# Altium PCB MCISO-P01-V04.PcbDoc (part 2 of 2)
Units mm, origin at the board's own origin, x right, y up, seen from the top; angles counter-clockwise.
Board outline 79.85 x 119.25 mm, 2 copper layers (Top Layer, Bottom Layer), stack 1.57 mm thick; 122 components, 80 nets, 453 pads, 48 vias.
Unrouted connection lines stored in the file: 3.
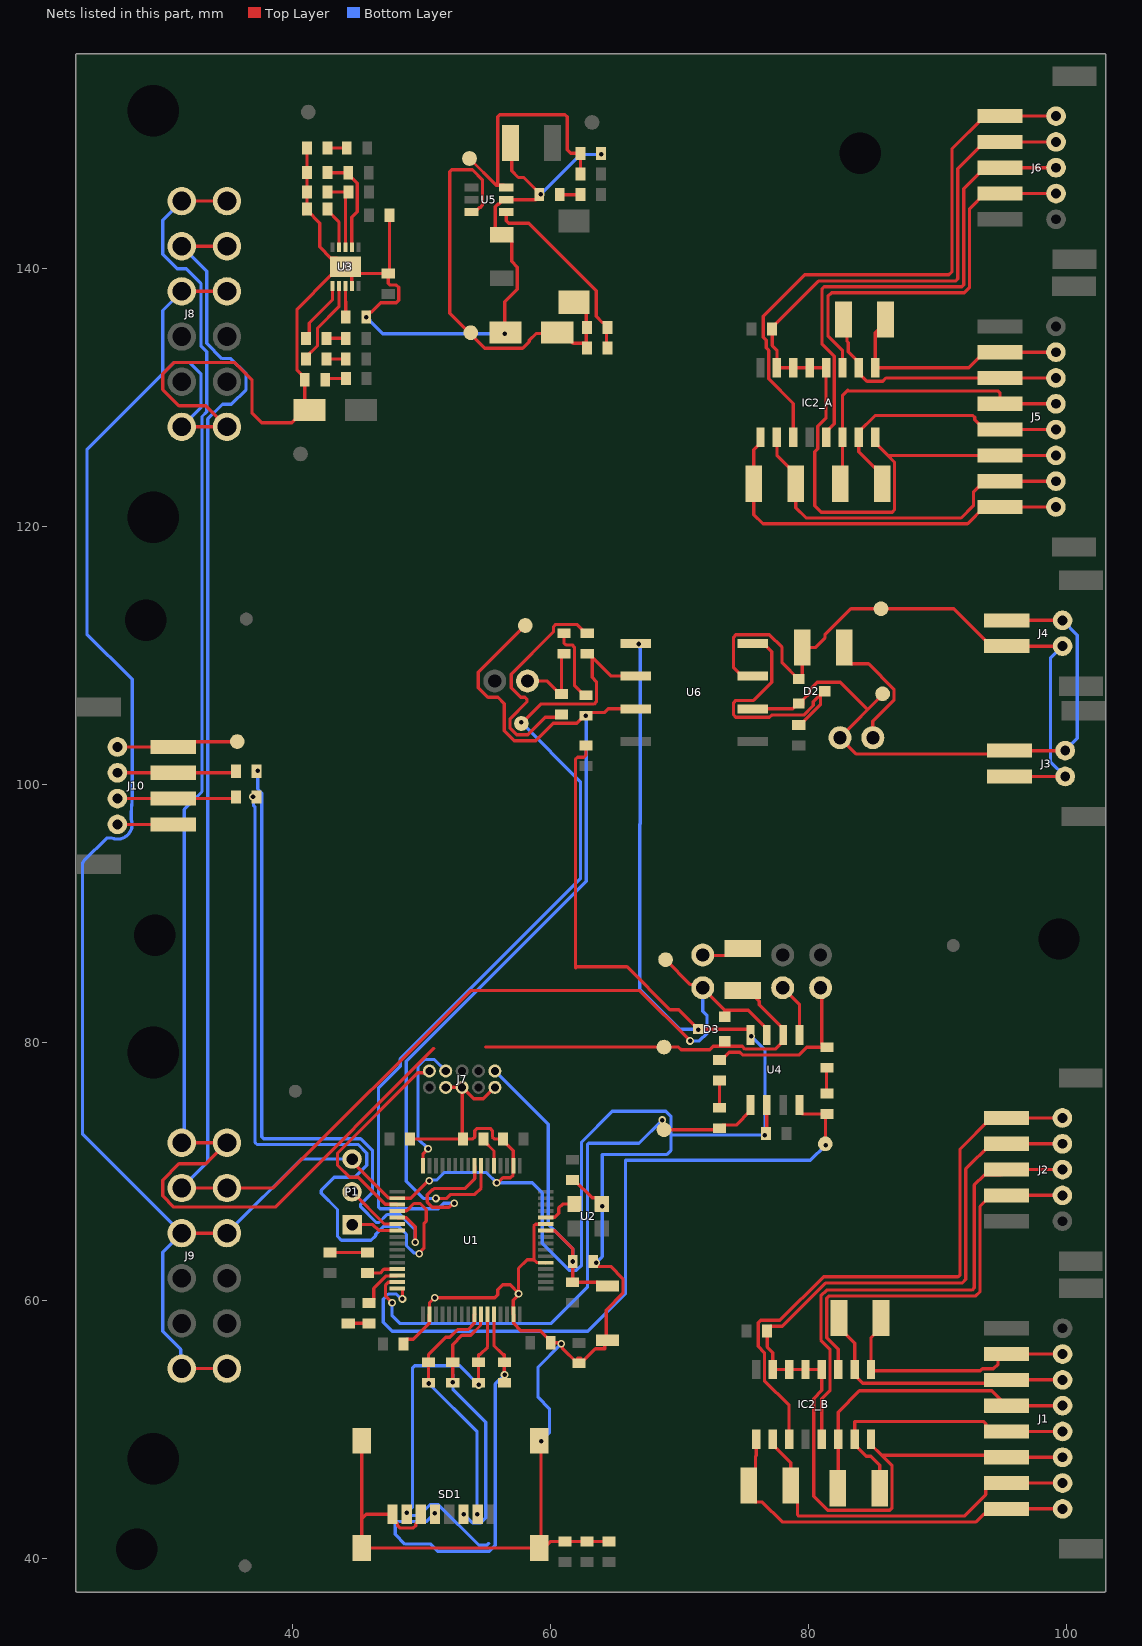
[diagram p2: the nets of this part, all layers, seen from the top]

## Via types
v1: diameter 0.6, hole 0.35, Top Layer to Bottom Layer, 48 vias

## Nets (pads, with @x,y where several pads share a name; then routed paths per layer and width w, separated by ;. In a path a pad name is that pad's centre, name@x,y a point inside that pad or via, vN(x,y) a via of type N, cw(c..) or ccw(c..) an arc to the next point about the centre after c; other vN are vias at no path point) (continued)
"CAN1 RX": R22.1 TP7.1 U1.57 U6.6 | length 74.8
  Top Layer w0.254: v1(52.522,67.519) 52.428,67.519 52.119,67.21 50.818,67.21 50.419,67.609 50.419,68.173 50.818,68.572 50.869,68.572 50.952,68.654 53.328,68.654 54.1,69.426 U1.57@54.1,70.407 ; v1(57.7,104.8) 57.822,104.8 59.233,106.211 63.359,106.211 63.538,106.39 63.538,107.957 63.206,108.289 R22.1@63.206,109.856 ; R22.1@62.825,110.11 62.952,110.11 R22.1@63.206,109.856 ; U6.6@66.6,108.38 64.682,108.38 R22.1@63.206,109.856
  Bottom Layer w0.254: v1(52.522,67.519) 51.691,67.519 51.268,67.096 46.788,67.096 46.639,67.245 46.639,76.439 48.339,78.139 48.339,78.702 62.3,92.663 62.3,100.2 v1(57.7,104.8)
"CAN1 TX": R21.1 TP5.1 U1.58 U6.7 | length 72.8
  Top Layer w0.254: v1(51.1,67.891) 51.93,67.891 52.24,68.2 54.106,68.2 54.6,68.694 U1.58@54.6,70.407 ; TP5.1@58.025,112.303 54.39,108.668 54.39,107.474 55.134,106.73 55.911,106.73 56.395,106.246 56.395,104.152 57.174,103.373 58.84,103.373 60.191,104.724 62.012,104.724 62.588,105.3 v1(62.7,105.3) 62.842,105.3 63.106,105.564 64.191,105.564 64.467,105.84 U6.7@66.6,105.84
  Bottom Layer w0.254: v1(51.1,67.891) 50.133,67.891 48.793,69.231 48.793,78.514 62.754,92.475 62.754,105.246 v1(62.7,105.3)
"CAN2 RX": R25.1 TP11.1 U1.33 U4.4 | length 56.5
  Top Layer w0.254: U1.33@48.1,60.907 48.477,60.907 48.5,60.884 v1(48.5,60.1) ; U4.4@79.287,75.149 79.287,74.674 79.536,74.425 81.3,74.425 R25.1@81.409,74.425 81.3,74.316 v1(81.3,72.021)
  Bottom Layer w0.254: v1(48.5,60.1) 48.406,60.1 48.025,60.481 47.418,60.481 47.019,60.082 47.019,58.281 47.7,57.6 62.873,57.6 65.8,60.527 65.8,70.846 80.125,70.846 v1(81.3,72.021)
"CAN2 TX": R24.1 TP9.1 U1.34 U4.1 | length 45.9
  Top Layer w0.254: v1(47.7,59.8) 47.195,60.305 47.195,61.183 47.396,61.384 48.077,61.384 U1.34@48.1,61.407 ; v1(68.633,73.967) 68.699,73.901 68.699,73.299 TP9.1@68.78,73.219 R24.1@72.973,73.219 ; R24.1@73.334,73.58 74.382,73.58 75.477,74.674 U4.1@75.477,75.149
  Bottom Layer w0.254: v1(47.7,59.8) 47.7,58.8 48.3,58.2 60.051,58.2 62.842,60.99 62.842,72.075 62.942,72.175 66.842,72.175 v1(68.633,73.967)
"CAN H": D2.2 J3.1 J4.1 J12.1 TP4.1 U6.2 | length 49.1
  Top Layer w0.254: U6.2@75.65,105.84 78.762,105.84 79.068,106.146 79.526,106.146 79.548,106.168 79.548,106.526 80.099,107.077 80.099,107.358 80.649,107.908 82.443,107.908 84.511,105.84 ; TP4.1@85.725,107.003 85.725,106.953 82.425,103.653 J12.1@82.425,103.603 83.695,102.333 95.283,102.333 J3.1@95.55,102.6 J3.1@99.879,102.6 ; J4.1@95.35,112.7 J4.1@99.679,112.7
  Bottom Layer w0.254: J4.1@99.679,112.7 100.822,111.557 100.822,103.543 J3.1@99.879,102.6
"CAN L": D2.1 J3.2 J4.2 R23.1 TP6.1 U6.3 | length 52
  Top Layer w0.254: U6.3@75.65,108.38 74.825,108.38 74.17,109.035 74.17,111.396 74.349,111.575 76.951,111.575 77.927,110.599 77.927,109.402 79.175,108.153 79.227,108.153 79.5,108.426 R23.1@79.5,110.603 80.531,110.603 81.253,111.325 81.253,111.586 83.266,113.6 TP6.1@85.6,113.6 91.25,113.6 94.15,110.7 J4.2@95.35,110.7 J4.2@99.679,110.7 ; J3.2@95.55,100.6 J3.2@99.879,100.6
  Bottom Layer w0.254: J4.2@99.679,110.7 98.736,109.757 98.736,101.743 J3.2@99.879,100.6
"CAN LED": DS7.1 DS8.1 J11.2 | length 6.2
  Top Layer w0.254: J11.2@58.2,108 59.695,108 60.698,106.997 DS8.1@60.825,106.997 60.825,109.91 DS7.1@61.025,110.11
"CAN MAIN H": D3.2 J8.2 J8.8 J9.2 J9.8 J14.1 TP8.1 U4.7 | length 145
  Top Layer w0.254: J9.8@31.4,68.7 J9.2@34.9,68.7 38.5,68.7 53.8,84 66.9,84 v1(70.8,80.1) ; J8.8@31.4,141.7 J8.2@34.9,141.7 ; TP8.1@68.91,86.41 68.91,86.39 70.829,84.471 71.488,84.471 71.78,84.179 73.486,82.473 ; D3.2@73.48,81.969 73.486,81.975 73.486,82.473 ; U4.7@76.747,80.549 76.747,81.024 75.298,82.473 73.486,82.473
  Bottom Layer w0.254: J9.8@31.4,68.7 33.419,70.719 33.419,128.313 34.556,129.45 35.244,129.45 36.381,130.587 36.381,131.813 35.202,132.992 34.514,132.992 33.335,134.171 33.335,139.765 J8.8@31.4,141.7 ; v1(70.8,80.1) 71.515,80.1 72.114,80.699 72.114,82.066 71.78,82.4 J14.1@71.78,84.179
"CAN MAIN L": D3.1 J8.1 J8.7 J9.1 J9.7 R26.1 TP10.1 U4.6 | length 146.1
  Top Layer w0.254: J9.7@31.4,72.2 J9.1@34.9,72.2 33.271,70.571 31.176,70.571 29.919,69.313 29.919,68.087 30.787,67.219 38.637,67.219 50.938,79.519 ; J8.7@31.4,145.2 J8.1@34.9,145.2 ; 54.938,79.619 69.901,79.619 70.101,79.419 72.34,79.419 72.601,79.68 74.84,79.68 75.051,79.47 77.412,79.47 78.017,80.074 U4.6@78.017,80.549 78.017,81.024 76.153,82.888 76.153,83.171 75.63,83.694 R26.1@74.88,83.694
  Bottom Layer w0.254: J9.7@31.4,72.2 31.581,72.381 31.581,98.042 32.965,99.426 32.965,128.502 33.335,128.872 33.335,133.529 32.881,133.983 32.881,138.813 31.744,139.95 31.056,139.95 29.919,141.087 29.919,143.719 J8.7@31.4,145.2
"CAN MAIN LBK": J15.2 U4.5 | length 4.2
  Top Layer w0.254: J15.2@77.98,84.219 79.287,82.912 U4.5@79.287,80.549
"CAN MAIN LED": DS9.1 DS10.1 J13.2 | length 13.5
  Top Layer w0.254: DS9.1@73.08,78.612 73.207,78.612 73.82,79.226 74.652,79.226 74.862,79.016 79.259,79.016 79.849,79.606 81.253,79.606 80.999,79.86 80.999,84.1 J13.2@80.919,84.179
"CAN MAIN RX LED": DS10.2 R25.2 | length 2
  Top Layer w0.254: DS10.2@81.38,78.019 81.38,76.042 R25.2@81.409,76.012
"CAN MAIN TX LED": DS9.2 R24.2 | length 2.1
  Top Layer w0.254: R24.2@73.08,74.912 DS9.2@73.08,77.026
"CAN RX LED": DS8.2 R22.2 | length 18.3
  Top Layer w0.254: DS8.2@60.825,105.41 60.593,105.178 59.579,105.178 58.228,103.827 57.362,103.827 56.849,104.34 56.849,105.066 58.153,106.371 58.153,106.581 58.004,106.73 57.674,106.73 56.93,107.474 56.93,108.526 60.212,111.808 60.212,112.204 60.391,112.383 60.685,112.383 62.012,112.383 62.698,111.697 R22.2@62.825,111.697
"CAN TX LED": DS7.2 R21.2 | length 5.9
  Top Layer w0.254: DS7.2@61.025,111.697 61.025,110.945 61.174,110.796 61.659,110.796 61.838,110.617 61.838,107.657 62.598,106.897 R21.2@62.725,106.897
CLMODE: R15.2 U3.4 | length 3.4
  Top Layer w0.254: R15.2@42.693,144.6 42.693,144.473 43.583,143.583 U3.4@43.583,141.613
FLAG: DS4.2 U3.6 | length 4.9
  Top Layer w0.254: DS4.2@41.018,134.562 41.018,134.689 41.272,134.943 41.272,135.749 43.083,137.56 U3.6@43.083,138.613
GND: C1.1 C2.1 C3.1 C4.1 C5.1 C6.1 C7.1 C8.1 C9.1 C10.1 C11.1 C12.1 C14.1 C15.1 C18.2 C19.1 D1.A D3.3 D4.A DS5.2 DS6.2 DS11.2 J7.3 J7.5 J7.9 J8.3 J8.6 J8.9 J8.12 J9.3 J9.6 J9.9 J9.12 J10.4 P1.3 R1.1 R15.1 R16.1 R17.1 R18.1 R29.1 SD1.6 SD1.8 SD1.9 SD1.10 SD1.11 SD1.12 SW1.1 TP3.1 U1.6 U1.12 U1.18 U1.31 U1.47 U1.63 U2.2 U3.9 U3.11 U4.2 U4.8 U5.2 U6.5 | length 498.7
  Top Layer w0.254: J10.4@26.408,102.883 J10.4@30.737,102.883 31.153,103.3 TP3.1@35.7,103.3 ; J9.12@31.4,54.7 J9.6@34.9,54.7 ; J9.9@31.4,65.2 J9.3@34.9,65.2 ; J8.12@31.4,127.7 J8.6@34.9,127.7 33.271,129.329 31.176,129.329 29.919,130.587 29.919,131.813 30.787,132.681 35.513,132.681 36.835,131.359 36.835,128.792 37.607,128.02 39.92,128.02 40.9,129 D1.A@41.3,129 40.928,129.372 DS6.2@40.928,131.349 40.928,131.476 40.332,132.071 40.332,136.818 42.954,139.44 43.61,139.44 U3.11@44.183,140.013 ; J8.9@31.4,138.2 J8.3@34.9,138.2 ; R15.1@40.853,144.219 R15.1@41.107,144.473 ; DS5.2@41.097,149.313 R16.1@41.097,147.413 R17.1@41.097,145.913 41.097,144.61 R15.1@41.107,144.6 R15.1@41.107,144.473 ; U3.11@44.083,140.113 43.41,140.786 42.954,140.786 42.084,141.657 42.084,143.496 R15.1@41.107,144.473 ; U3.9@44.583,138.613 44.583,139.613 44.603,139.593 C11.1@47.4,139.593 ; P1.3@44.6,70.94 44.6,70.726 47.396,67.93 48.077,67.93 U1.47@48.1,67.907 49.16,67.907 50.506,69.253 v1(50.587,69.253) ; SD1.10@45.35,49.1 45.35,43.05 ; v1(45.693,136.2) 45.693,136.327 45.947,136.581 46.074,136.581 46.814,137.321 48.034,137.321 48.213,137.499 48.213,138.514 48.034,138.692 47.549,138.692 47.4,138.841 C11.1@47.4,139.593 ; C12.1@47.493,144.1 47.493,139.687 C11.1@47.4,139.593 ; C6.1@48.593,56.6 48.593,56.727 48.847,56.981 49.355,56.981 50.577,58.203 50.577,58.884 U1.31@50.6,58.907 50.6,59.8 v1(51,60.2) 55.673,60.2 55.887,60.414 55.887,60.807 56.286,61.206 56.85,61.206 57.5,60.557 57.5,62.463 58.167,63.13 58.695,63.13 ; C5.1@49.093,72.5 R1.1@53.207,72.5 ; SD1.6@49.93,43.4 49.93,43.05 49.535,42.655 49.535,42.524 49.356,42.345 48.304,42.345 48.125,42.524 48.125,42.655 47.73,43.05 SD1.8@47.73,43.4 45.7,43.4 45.35,43.05 ; J7.3@51.86,76.5 J7.5@53.13,76.5 ; J7.9@55.67,76.5 54.781,75.611 54.019,75.611 J7.5@53.13,76.5 ; v1(55.8,69.1) 55.894,69.1 56.295,69.502 56.876,69.502 57.077,69.703 57.077,70.384 U1.63@57.1,70.407 57.1,71.58 56.307,72.373 C4.1@56.307,72.5 55.628,72.5 55.479,72.649 55.479,73.134 55.301,73.313 54.286,73.313 54.108,73.134 54.108,72.649 53.959,72.5 R1.1@53.207,72.5 ; D4.A@56.5,135 56.436,135.064 56.436,137.388 57.406,138.359 57.406,140.088 56.975,140.519 56.975,142.109 56.505,142.578 C18.2@56.2,142.578 56.165,142.578 55.695,143.048 55.695,144.776 55.874,144.955 55.955,144.955 56.3,145.3 U5.2@56.55,145.3 58.834,145.3 59.107,145.573 DS11.2@59.107,145.7 59.107,145.827 57.907,147.027 57.498,147.027 56.975,147.55 56.975,148.3 ; v1(57.503,60.497) 57.503,60.409 57.1,60.006 U1.18@57.1,58.907 57.123,58.884 57.123,58.203 57.684,57.642 59.179,57.642 59.993,56.827 C3.1@59.993,56.7 v1@60.82,56.7 ; SD1.11@59.525,48.792 v1(59.245,49.072) SD1.12@59.245,41.22 ; U1.12@59.6,62.907 59.577,62.93 58.896,62.93 58.695,63.13 ; U1.6@59.6,65.907 59.577,65.884 58.821,65.884 58.695,65.758 58.695,63.13 ; v1(60.82,56.622) 60.886,56.555 60.886,56.293 62.073,55.107 C1.1@62.2,55.107 62.327,55.107 63.463,56.242 64.193,56.242 64.193,56.583 64.56,56.949 64.3,57.209 64.3,59.235 65.594,60.529 65.594,61.671 64.646,62.619 63.547,62.619 C7.1@63.395,62.772 ; C2.1@61.7,69.307 61.827,69.307 63.201,67.933 63.531,67.933 63.95,67.513 U2.2@63.95,67.45 ; 62.073,55.507 62.327,55.507 ; C14.1@62.725,102.997 62.725,102.245 62.576,102.096 62.091,102.096 61.912,101.917 61.912,85.747 62.012,85.847 65.912,85.847 69.235,82.524 69.925,82.524 71.43,81.019 D3.3@71.48,81.019 ; C7.1@63.293,63 63.293,62.873 C7.1@63.394,62.772 ; v1(63.523,62.9) C7.1@63.395,62.772 ; C10.1@64.5,41.293 C8.1@62.8,41.293 C9.1@61.1,41.293 59.943,41.293 59.3,40.65 59.245,40.705 SD1.12@59.245,41.22 ; v1(71.433,80.981) D3.3@71.433,81.019 ; D3.3@71.495,81.003 75.304,81.003 75.477,80.83 U4.8@75.477,80.549 ; C15.1@76.747,72.979 U4.2@76.747,75.149 ; 45.35,43.05 SD1.9@45.35,40.8 SD1.12@59.1,40.8 59.1,41.075 SD1.12@59.245,41.22 ; J7.5@53.13,76.5 53.13,72.577 R1.1@53.207,72.5
  Bottom Layer w0.254: J9.12@31.4,54.7 31.325,54.775 31.325,56.181 29.919,57.587 29.919,63.719 J9.9@31.4,65.2 23.774,72.826 23.7,72.9 23.7,93.795 23.7,93.9 23.846,94.088 25.578,95.82 25.683,95.82 25.989,95.82 ccw(c26.408,96.883) 27.471,97.302 27.471,97.713 27.548,98.803 ccw(c26.408,98.883) 27.551,98.883 27.551,108.125 27.476,108.2 24.048,111.628 24.048,125.942 29.919,131.813 ; J8.12@31.4,127.7 32.881,129.181 32.881,131.813 32.013,132.681 30.787,132.681 29.919,131.813 ; J8.9@31.4,138.2 29.919,136.719 29.919,131.813 ; J9.3@34.9,65.2 40.64,70.94 P1.3@44.6,70.94 ; 45.968,136.019 45.787,136.2 v1(45.693,136.2) 46.974,134.919 v1(56.422,134.919) ; v1(50.587,69.253) 50.654,69.319 51.166,69.319 51.747,69.9 55,69.9 v1(55.8,69.1) 58.563,69.1 59.346,68.317 59.346,64.398 61.425,62.319 61.989,62.319 62.388,62.718 62.388,72.263 64.772,74.648 68.915,74.648 69.314,74.249 69.314,72.8 ; v1@50.975,60.225 v1(51,60.2) ; v1(59.222,145.719) 62.322,148.819 v1(63.922,148.819) ; v1(59.245,49.072) 59.9,49.727 59.9,51.6 59.02,52.48 59.02,54.822 v1(60.82,56.622) ; v1(63.523,62.9) 63.523,62.908 64,63.386 v1(64,67.3) 64,71.3 69.014,71.3 69.314,71.6 69.314,72.8 ; v1(66.833,110.867) 66.899,110.801 66.899,110.58 66.935,110.545 66.935,96.935 66.9,96.9 66.9,84.1 70,81 71.414,81 v1(71.433,80.981) ; v1(75.533,80.467) 76.6,79.4 v1(76.6,72.8) 69.314,72.8
  other v1: 34.687,65.253
"GND INV_A": C20_A.1 IC2_A.8 IC2_A.12 IC2_A.13 IC2_A.14 IC2_A.15 J5.6 J6.2 | length 76.8
  Top Layer w0.254: IC2_A.8@85.153,126.887 85.153,126.462 86.128,125.487 ; J5.6@99.156,125.487 J5.6@94.816,125.487 86.128,125.487 ; J6.2@99.166,149.787 J6.2@94.837,149.787 93.637,149.787 91.558,147.708 91.558,139.187 91.374,139.003 80.749,139.003 77.159,135.414 C20_A.1@77.159,135.287 77.159,134.001 77.533,133.628 IC2_A.15@77.533,132.287 IC2_A.14@78.803,132.287 IC2_A.13@80.073,132.287 IC2_A.12@81.343,132.287 81.343,128.393 80.702,127.753 80.702,126.01 80.471,125.779 80.471,121.581 80.966,121.087 86.466,121.087 86.646,121.267 86.646,124.968 86.128,125.487
"GND INV_B": C20_B.1 IC2_B.8 IC2_B.12 IC2_B.13 IC2_B.14 IC2_B.15 J1.6 J2.2 | length 77.7
  Top Layer w0.254: IC2_B.8@84.824,49.225 84.824,48.8 85.642,47.983 ; J2.2@99.658,72.125 J2.2@95.329,72.125 94.129,72.125 92.179,70.175 92.179,61.625 91.879,61.325 81.289,61.325 77.948,57.984 77.027,57.984 76.773,57.73 76.773,56.369 77.204,55.938 IC2_B.15@77.204,54.625 IC2_B.14@78.474,54.625 IC2_B.13@79.744,54.625 IC2_B.12@81.014,54.625 81.014,53.002 80.384,52.372 80.384,44.814 81.478,43.721 86.281,43.721 86.459,43.899 86.459,47.165 85.642,47.983 ; J1.6@99.679,47.825 J1.6@95.339,47.825 95.182,47.983 85.642,47.983
"GND ISO": C13.1 D2.3 U6.4 | length 19.9
  Top Layer w0.254: U6.4@75.65,110.92 76.475,110.92 77.13,110.265 77.13,107.904 75.721,106.495 74.349,106.495 74.17,106.316 74.17,105.364 74.349,105.185 76.951,105.185 77.125,105.359 79.612,105.359 80.352,106.099 80.352,106.38 D2.3@80.902,106.93 ; C13.1@79.225,104.597 79.352,104.597 80.902,106.147 D2.3@80.902,106.93 ; D2.3@81.225,107.203 81.175,107.203 D2.3@80.902,106.93
H1_A: IC2_A.3 J6.1 | length 45.1
  Top Layer w0.254: IC2_A.3@78.803,126.887 78.803,129.511 76.892,131.421 76.892,133.626 76.705,133.813 76.705,134.421 76.473,134.652 76.473,136.279 79.681,139.487 90.866,139.487 91.104,139.725 91.104,149.254 93.637,151.787 J6.1@94.837,151.787 J6.1@99.166,151.787
H1_B: IC2_B.3 J2.1 | length 45.9
  Top Layer w0.254: IC2_B.3@78.474,49.225 78.474,51.849 76.564,53.76 76.564,55.936 76.087,56.413 76.087,58.26 76.265,58.438 77.759,58.438 81.147,61.825 91.576,61.825 91.725,61.974 91.725,71.721 94.129,74.125 J2.1@95.329,74.125 J2.1@99.658,74.125
H2_A: IC2_A.5 J6.3 | length 38.6
  Top Layer w0.254: IC2_A.5@81.343,126.887 81.343,127.312 81.972,127.941 81.972,133.163 81.032,134.104 81.032,138.4 81.18,138.549 91.863,138.549 92.012,138.698 92.012,146.162 93.637,147.787 J6.3@94.837,147.787 J6.3@99.166,147.787
H2_B: IC2_B.5 J2.3 | length 39.1
  Top Layer w0.254: IC2_B.5@81.014,49.225 81.014,52.36 81.644,52.99 81.644,56.212 80.945,56.911 80.945,57.608 80.945,60.34 81.39,60.784 92.656,60.784 92.82,60.949 92.82,68.932 93.591,69.702 94.906,69.702 J2.3@95.329,70.125 J2.3@99.658,70.125
H3_A: IC2_A.11 J6.4 | length 30.6
  Top Layer w0.254: IC2_A.11@82.613,132.287 82.613,133.634 81.486,134.76 81.486,137.813 81.768,138.095 92.051,138.095 92.466,138.51 92.466,144.616 93.637,145.787 J6.4@94.837,145.787 J6.4@99.166,145.787
H3_B: IC2_B.11 J2.4 | length 31.3
  Top Layer w0.254: IC2_B.11@82.284,54.625 82.284,56.214 81.399,57.099 81.399,57.42 81.399,60.152 81.578,60.33 92.949,60.33 93.274,60.656 93.274,67.271 94.129,68.125 J2.4@99.658,68.125
"HALL 1A_A": IC2_A.2 J5.7 R30_A.1 | length 28.3
  Top Layer w0.254: IC2_A.2@77.533,126.887 77.533,125.495 78.991,124.037 R30_A.1@78.991,123.287 78.991,121.435 79.794,120.633 91.804,120.633 92.761,121.59 92.761,122.632 93.616,123.487 J5.7@94.816,123.487 J5.7@99.156,123.487
"HALL 1A_B": IC2_B.2 J1.7 R30_B.1 | length 28.6
  Top Layer w0.254: IC2_B.2@77.204,49.225 77.204,48.8 77.402,48.602 77.409,48.602 78.605,47.406 R30_B.1@78.605,45.625 79.128,45.102 79.128,43.352 79.213,43.267 86.469,43.267 92.049,43.267 93.716,44.934 93.716,45.402 94.139,45.825 J1.7@95.339,45.825 J1.7@99.679,45.825
"HALL 1B_A": IC2_A.1 J5.8 R30_A.2 | length 30.5
  Top Layer w0.254: IC2_A.1@76.263,126.887 76.263,126.462 75.741,125.94 R30_A.2@75.741,123.287 75.741,120.889 76.451,120.179 92.308,120.179 93.616,121.487 J5.8@99.156,121.487
"HALL 1B_B": IC2_B.1 J1.8 R30_B.2 | length 29
  Top Layer w0.254: IC2_B.1@75.934,49.225 75.934,47.956 75.877,47.898 75.877,46.148 R30_B.2@75.354,45.625 75.354,44.875 75.877,44.352 76.397,44.352 77.936,42.813 92.969,42.813 93.558,43.402 93.716,43.402 J1.8@94.177,43.863 ; J1.8@95.339,43.825 J1.8@99.679,43.825
"HALL 2A_A": IC2_A.6 J5.4 R31_A.1 | length 24.5
  Top Layer w0.254: R31_A.1@82.441,123.287 82.613,123.459 IC2_A.6@82.613,126.887 82.613,130.115 83.025,130.527 83.066,130.487 94.667,130.487 94.816,130.338 J5.4@94.816,129.487 J5.4@99.156,129.487
"HALL 2A_B": IC2_B.6 J1.4 R31_B.1 | length 24.5
  Top Layer w0.254: R31_B.1@82.254,45.425 82.284,45.456 IC2_B.6@82.284,49.225 82.284,51.33 83.924,52.971 94.194,52.971 J1.4@95.339,51.825 J1.4@99.679,51.825
"HALL 2B_A": IC2_A.7 J5.5 R31_A.2 | length 21.2
  Top Layer w0.254: R31_A.2@85.691,123.287 85.691,124.037 85.168,124.56 85.079,124.56 83.883,125.756 IC2_A.7@83.883,126.887 83.883,127.312 85.151,128.58 92.724,128.58 92.866,128.438 92.866,128.237 93.616,127.487 J5.5@94.816,127.487 J5.5@99.156,127.487
"HALL 2B_B": IC2_B.7 J1.5 R31_B.2 | length 22.7
  Top Layer w0.254: R31_B.2@85.505,45.425 85.505,47.206 84.807,47.904 84.45,47.904 83.554,48.8 IC2_B.7@83.554,49.225 83.554,50.592 93.567,50.592 93.716,50.443 93.716,50.248 94.139,49.825 J1.5@99.679,49.825
"HALL 3A_A": IC2_A.10 J5.3 R32_A.1 | length 20.7
  Top Layer w0.254: R32_A.1@82.441,136.287 82.964,135.764 82.964,134.322 83.067,134.219 83.067,133.528 83.883,132.712 IC2_A.10@83.883,132.287 83.883,131.862 84.512,131.232 85.728,131.232 85.982,131.487 J5.3@94.816,131.487 J5.3@99.156,131.487
"HALL 3A_B": IC2_B.10 J1.3 R32_B.1 | length 21.4
  Top Layer w0.254: R32_B.1@82.354,58.625 82.354,57.875 83.554,56.675 IC2_B.10@83.554,54.625 83.554,54.2 84.184,53.571 95.084,53.571 J1.3@95.339,53.825 J1.3@99.679,53.825
"HALL 3B_A": IC2_A.9 J5.2 R32_A.2 | length 18.7
  Top Layer w0.254: R32_A.2@85.691,136.287 85.691,135.537 85.153,134.998 IC2_A.9@85.153,132.287 92.416,132.287 93.616,133.487 J5.2@94.816,133.487 J5.2@99.156,133.487
"HALL 3B_B": IC2_B.9 J1.2 R32_B.2 | length 20
  Top Layer w0.254: R32_B.2@85.605,58.625 85.605,57.875 84.824,57.095 IC2_B.9@84.824,54.625 84.924,54.525 93.308,54.525 93.463,54.68 94.309,54.68 94.672,55.043 94.672,55.402 95.095,55.825 J1.2@99.679,55.825
NetDS1_1: DS1.1 R3.1 | length 1.6
  Top Layer w0.254: R3.1@44.3,58.207 DS1.1@45.9,58.207
NetDS2_1: DS2.1 R4.1 | length 2.9
  Top Layer w0.254: R4.1@42.9,63.693 DS2.1@45.8,63.693
NetDS3_1: DS3.1 R9.1 | length 1.5
  Top Layer w0.254: DS3.1@42.605,132.962 R9.1@44.111,132.962
NetDS4_1: DS4.1 R10.1 | length 1.5
  Top Layer w0.254: DS4.1@42.604,134.562 R10.1@44.111,134.562
NetDS5_1: DS5.1 R11.1 | length 1.5
  Top Layer w0.254: DS5.1@42.683,149.313 R11.1@44.19,149.313
NetDS6_1: DS6.1 R14.1 | length 1.7
  Top Layer w0.254: DS6.1@42.514,131.349 42.614,131.449 R14.1@44.128,131.449
NetDS11_1: DS11.1 R28.1 | length 1.6
  Top Layer w0.254: DS11.1@60.693,145.7 R28.1@62.307,145.7
NetJ10_2: J10.2 R19.1 | length 9.2
  Top Layer w0.254: J10.2@26.408,98.883 J10.2@30.737,98.883 35.49,98.883 R19.1@35.607,99
NetJ10_3: J10.3 R20.1 | length 9.3
  Top Layer w0.254: J10.3@26.408,100.883 J10.3@30.737,100.883 35.497,100.883 R20.1@35.613,101
NetJ12_2: J12.2 R23.2 | length 10.1
  Top Layer w0.254: R23.2@82.751,110.603 82.751,109.853 83.274,109.33 84.637,109.33 86.601,107.366 86.601,106.509 84.966,104.873 J12.2@84.965,103.603
NetJ14_2: J14.2 R26.2 | length 3.2
  Top Layer w0.254: J14.2@71.78,86.719 74.654,86.719 R26.2@74.88,86.944
NetR1_2: R1.2 U1.60 | length 2.4
  Top Layer w0.254: R1.2@54.793,72.5 54.793,72.373 55.6,71.566 U1.60@55.6,70.407
NRST: C7.2 J7.10 R2.1 SW1.2 U1.7 | length 25.9
  Top Layer w0.254: U1.7@59.6,65.407 59.623,65.384 60.304,65.384 61.707,63.981 v1(61.707,63) 61.7,62.993 R2.1@61.7,61.393 63.607,61.393 63.9,61.1 SW1.2@64.9,61.1
  Bottom Layer w0.254: J7.10@55.67,77.77 59.8,73.64 59.8,65.882 61.707,63.976 v1(61.707,63)
"ORANGE LED 1": DS1.2 U1.35 | length 3.6
  Top Layer w0.254: DS1.2@45.9,59.793 46.027,59.793 46.281,60.047 46.281,60.911 47.254,61.884 48.077,61.884 U1.35@48.1,61.907
"ORANGE LED 2": DS2.2 U1.36 | length 2.4
  Top Layer w0.254: DS2.2@45.8,62.107 46.765,62.107 47.066,62.407 U1.36@48.1,62.407
"OSC IN": U1.5 U2.3 | length 2.9
  Top Layer w0.254: U1.5@59.6,66.407 59.623,66.43 60.304,66.43 60.625,66.75 60.625,67.152 60.923,67.45 U2.3@61.85,67.45
OVLO: R13.1 R17.2 U3.3 | length 6
  Top Layer w0.254: R17.2@42.683,145.913 42.696,145.9 R13.1@44.32,145.9 44.083,145.664 U3.3@44.083,141.613
"PWR CB 3V3": C16.1 C17.1 U5.1 | length 14.8
  Top Layer w0.254: U5.1@56.55,144.35 56.55,143.669 56.739,143.48 58.301,143.48 63.519,138.262 63.519,136.274 64.012,135.781 64.139,135.781 64.393,135.527 C16.1@64.393,135.4 64.33,135.336 64.33,133.864 C17.1@64.393,133.8
"PWR FB 3V3": R27.1 R29.2 TP14.1 U5.3 | length 20
  Top Layer w0.254: TP14.1@53.7,148.5 55.777,146.423 ; U5.3@56.55,146.25 56.377,146.423 55.9,146.423 55.777,146.423 ; R27.1@62.307,147.3 R29.2@62.307,148.9 61.545,148.9 61.273,149.171 61.273,151.727 61.1,151.9 56.049,151.9 55.9,151.751 55.9,146.546 55.777,146.423
"PWR SW 3V3": C16.2 C17.2 D4.K L1.1 TP13.1 U5.6 | length 34
  Top Layer w0.254: U5.6@53.85,144.35 54.1,144.35 54.445,144.695 54.526,144.695 54.705,144.874 54.705,146.853 53.934,147.624 52.309,147.624 52.16,147.475 52.16,136.513 53.673,135 TP13.1@53.8,135 53.8,134.873 54.891,133.782 57.813,133.782 58.341,134.31 58.341,134.409 58.869,134.937 60.437,134.937 D4.K@60.5,135 60.9,135 61.719,134.181 62.553,134.181 62.807,133.927 C17.2@62.807,133.8 ; L1.1@61.8,137.35 61.97,137.35 62.743,136.577 62.743,135.464 C16.2@62.807,135.4 62.743,135.336 C17.2@62.743,133.864
"SD CS": R5.1 R5.2 SD1.2 U1.24 | length 20.8
  Top Layer w0.254: R5.1@50.52,53.522 R5.2@50.52,55.108 ; v1(50.54,53.543) 50.527,53.556 50.527,55.108 50.527,55.793 51.859,57.125 52.183,57.125 52.786,57.728 53.602,57.728 54.077,58.203 54.077,58.884 U1.24@54.1,58.907
  Bottom Layer w0.254: v1@50.531,53.552 v1(50.54,53.543) 54.29,49.793 v1(54.29,43.422)
"SD DI": R6.1 R6.2 SD1.3 U1.23 | length 22.3
  Top Layer w0.254: R6.1@52.4,53.607 R6.2@52.4,55.193 ; v1(52.42,53.628) 52.4,53.648 R6.2@52.4,55.193 ; U1.23@54.555,58.7 54.555,58.038 53.79,57.274 53.118,57.274 52.4,56.555 R6.2@52.4,55.193
  Bottom Layer w0.254: 52.42,54.228 52.42,53.08 54.971,50.529 54.971,43.14 54.572,42.741 53.931,42.741 v1(53.25,43.422) v1@53.194,43.366
"SD DO": R8.1 R8.2 SD1.7 U1.22 | length 31.3
  Top Layer w0.254: R8.2@54.4,53.407 R8.2@54.4,53.448 ; v1(54.42,53.428) R8.2@54.4,53.448 ; U1.22@55.1,58.907 55.1,56.366 54.527,55.793 54.4,55.793 54.4,54.993 R8.2@54.4,53.448
  Bottom Layer w0.254: v1@48.85,43.515 49.275,43.941 49.275,54.727 49.458,54.909 52.939,54.909 v1(54.42,53.428) ; v1(48.85,43.535) 48.944,43.535 49.159,43.319 49.805,43.319 50.639,44.153 51.285,44.153 54.438,41 55.051,41 55.2,41.149
"SD SCLK": R7.1 R7.2 SD1.5 U1.21 | length 31.4
  Top Layer w0.254: U1.21@55.6,58.907 55.6,56.466 56.273,55.793 56.4,55.793 R7.2@56.4,55.193 56.4,54.248 v1(56.42,54.228)
  Bottom Layer w0.254: v1(51.003,43.472) 50.384,42.854 47.944,42.854 47.944,41.856 48.7,41.1 50.695,41.1 51.249,40.546 55.239,40.546 55.7,41.007 55.7,53.508 v1(56.42,54.228)
SETI: R18.2 U3.8 | length 2.4
  Top Layer w0.254: U3.8@44.083,138.613 44.091,138.605 44.091,137.415 44.107,137.4 R18.2@44.107,136.2
SWCLK: J7.4 U1.49 | length 11
  Top Layer w0.254: U1.49@50.1,70.407 50.1,71.345 v1(50.486,71.731)
  Bottom Layer w0.254: v1(50.486,71.731) 49.701,72.516 49.701,77.575 49.701,78.138 50.222,78.659 50.785,78.659 50.971,78.659 J7.4@51.86,77.77
SWDIO: J7.2 U1.46 | length 16.6
  Top Layer w0.254: U1.46@48.1,67.407 48.077,67.43 47.17,67.43 45.068,69.531 44.41,69.531 43.469,70.472 43.469,71.408 49.701,77.64 50.46,77.64 J7.2@50.59,77.77
"USART 1_RX": P1.2 U1.43 | length 4.5
  Top Layer w0.254: P1.2@44.6,68.4 47.093,65.907 U1.43@48.1,65.907
"USART 1_TX": P1.1 U1.42 | length 3.7
  Top Layer w0.254: P1.1@44.6,65.86 46.21,65.86 46.663,65.407 U1.42@48.1,65.407
"USB DM": R20.2 U1.44 | length 51.6
  Top Layer w0.254: U1.44@48.1,66.407 48.123,66.384 48.804,66.384 49.5,65.688 v1(49.5,64.5)
  Bottom Layer w0.254: v1(37.286,101.031) 37.286,99.627 37.6,99.313 37.6,72.674 37.749,72.525 45.257,72.525 46.185,71.597 46.185,68.386 45.254,67.455 45.254,67.244 46.475,66.024 46.685,66.024 47.304,66.642 48.328,66.642 49.5,65.47 v1(49.5,64.5)
"USB DP": R19.2 U1.45 | length 60
  Top Layer w0.254: U1.45@48.1,66.907 48.123,66.93 48.825,66.93 49.391,67.495 49.89,67.495 50.354,67.032 50.354,66.532 50.354,66.133 50.181,65.96 50.181,64.075 49.8,63.694 v1(49.8,63.6)
  Bottom Layer w0.254: v1(36.919,99.031) 36.952,98.998 36.952,98.35 37.079,98.223 37.079,72.22 37.228,72.071 45.068,72.071 45.731,71.408 45.731,70.472 44.79,69.531 43.221,69.531 42.2,68.51 42.2,68.3 43.469,67.031 43.469,64.952 43.776,64.645 46.066,64.645 46.434,65.013 46.434,65.13 47.038,65.734 48.186,65.734 48.819,65.101 48.819,64.218 49.371,63.666 49.734,63.666 v1(49.8,63.6)
UVLO: R12.1 R16.2 U3.2 | length 7.9
  Top Layer w0.254: R16.2@42.683,147.413 42.696,147.4 R12.1@44.307,147.4 44.307,147.273 45.006,146.574 45.006,144.366 44.583,143.943 U3.2@44.583,141.613
UVOV: DS3.2 U3.7 | length 6.7
  Top Layer w0.254: DS3.2@41.018,132.962 41.018,133.089 41.919,133.99 41.919,134.709 41.919,135.332 43.583,136.997 U3.7@43.583,138.613
VUSB: J10.1 | length 4.3
  Top Layer w0.254: J10.1@26.408,96.883 J10.1@30.737,96.883
pads on no net: FID1.1 FID2.1 FID3.1 FID4.1 IC2_A.4 IC2_B.4 J1.M J2.M J3.M J4.M J5.M J6.M J7.6 J7.7 J7.8 J8.NC J9.NC J10.M M1.1 M2.1 M3.1 M4.1 M5.1 U1.2 U1.3 U1.4 U1.8 U1.9 U1.10 U1.11 U1.14 U1.15 U1.16 U1.17 U1.20 U1.25 U1.26 U1.27 U1.28 U1.29 U1.30 U1.37 U1.38 U1.39 U1.40 U1.41 U1.50 U1.51 U1.52 U1.53 U1.54 U1.55 U1.56 U1.59 U1.61 U1.62 U3.5

## Polygon pours and split planes (outlines as drawn)
no net on Top Solder (solid, pour order 10): 103,95.6 103,96.3 102.7,96.3 74.2,96.3 74.2,117 74.2,157 67.8,157 67.8,146.4 67.8,93.3 67.8,91 67.8,90.7 103,90.7
no net on Top Solder "NONET_L01_P006" (solid, pour order 6): 103,79 90,79 90,63 73.8,63 73.8,37.373 66.6,37.373 66.6,69.4 83.6,69.4 83.6,85.4 102,85.4 103,85.4
no net on Bottom Solder (solid, pour order 11): 103,95.6 103,96.3 102.7,96.3 74.2,96.3 74.2,117 74.2,157 67.8,157 67.8,146.4 67.8,93.3 67.8,91 67.8,90.7 103,90.7
no net on Bottom Solder "NONET_L01_P007" (solid, pour order 7): 103,79 90,79 90,63 73.8,63 73.8,37.373 66.6,37.373 66.6,69.4 83.6,69.4 83.6,85.4 102,85.4 103,85.4

## Silkscreen, mask and mechanical layers (free items; w line width, h text height)
Top Overlay:
  lines w0.254: 23.65,155.35 49.6,155.35 ; 23.7,117.55 49.6,117.55 49.6,155.3 ; 40.7,37.2 40.7,56.9 40.7,57.6 40.7,64.9 40.7,73.9 43,73.9 44.9,73.9 45.1,79.9 60.2,80.1 60.1,74.5 66.4,74.5 66.4,37.4 ; 50.1,131 67.7,131 67.7,155.2 50.1,155.2 50.1,131 ; 52.6,96.3 103,96.3 103,116.8 52.6,116.8 52.6,96.3

## Text inside footprints (layer, text, board x,y; h text height)
J1: Top Overlay "PH x8 SMD" at 102.364,45.499 h1.02 r90; Top Overlay "8" at 98.491,43.173 h1.02 r270; Top Overlay "1" at 98.716,59.173 h1.02 r270
J2: Top Overlay "1" at 98.388,75.697 h1.02 r270; Top Overlay "5" at 98.331,65.148 h1.02 r270; Top Overlay "PH x5 COMB" at 102.152,65.616 h1.02 r90; Top Overlay "1" at 93.103,75.961 h1.02 r270; Top Overlay "5" at 93.106,63.948 h1.02 r270
J3: Top Overlay "2" at 93.802,97.998 h1.02 r270; Top Overlay "1" at 93.802,105.973 h1.02 r270; Top Overlay "PH x4 COMB" at 102.398,98.984 h0.5 r90; Top Overlay "2" at 98.577,99.423 h1.02 r270; Top Overlay "1" at 98.609,104.172 h1.02 r270
J4: Top Overlay "1" at 98.409,114.272 h1.02 r270; Top Overlay "2" at 98.377,109.523 h1.02 r270; Top Overlay "PH x4 COMB" at 102.198,109.084 h0.5 r90; Top Overlay "1" at 93.602,116.073 h1.02 r270; Top Overlay "2" at 93.602,108.098 h1.02 r270
J5: Top Overlay "PH x8 SMD" at 101.841,123.16 h1.02 r90; Top Overlay "8" at 97.968,120.835 h1.02 r270; Top Overlay "1" at 98.193,136.835 h1.02 r270
J6: Top Overlay "5" at 92.614,141.61 h1.02 r270; Top Overlay "1" at 92.61,153.623 h1.02 r270; Top Overlay "PH x5 COMB" at 101.659,143.278 h1.02 r90; Top Overlay "5" at 97.839,142.81 h1.02 r270; Top Overlay "1" at 97.896,153.359 h1.02 r270
J8: Top Overlay "1" at 34.154,147.696 h1.52 r270; Top Overlay "7" at 30.654,147.896 h1.52 r270; Top Overlay "6" at 34.254,125.896 h1.52 r270; Top Overlay "12" at 30.654,126.496 h1.52 r270
J9: Top Overlay "1" at 34.154,74.696 h1.52 r270; Top Overlay "7" at 30.654,74.896 h1.52 r270; Top Overlay "6" at 34.254,52.896 h1.52 r270; Top Overlay "12" at 30.654,53.496 h1.52 r270
J10: Top Overlay "1" at 27.678,95.311 h1.02 r90; Top Overlay "4" at 27.805,103.82 h1.02 r90; Top Overlay "PH x4 COMB" at 23.893,103.507 h0.75 r270; Top Overlay "1" at 32.773,94.627 h1.02 r90; Top Overlay "4" at 32.974,103.992 h1.02 r90
U1: Top Overlay "LQFP64" at 56.346,68.953 h1.52 r90; Top Overlay "105RC" at 53.346,68.953 h1.52 r90; Top Overlay "STM32F" at 51.246,68.953 h1.52 r90